# KiCad board sswkbd_wiring.kicad_pcb
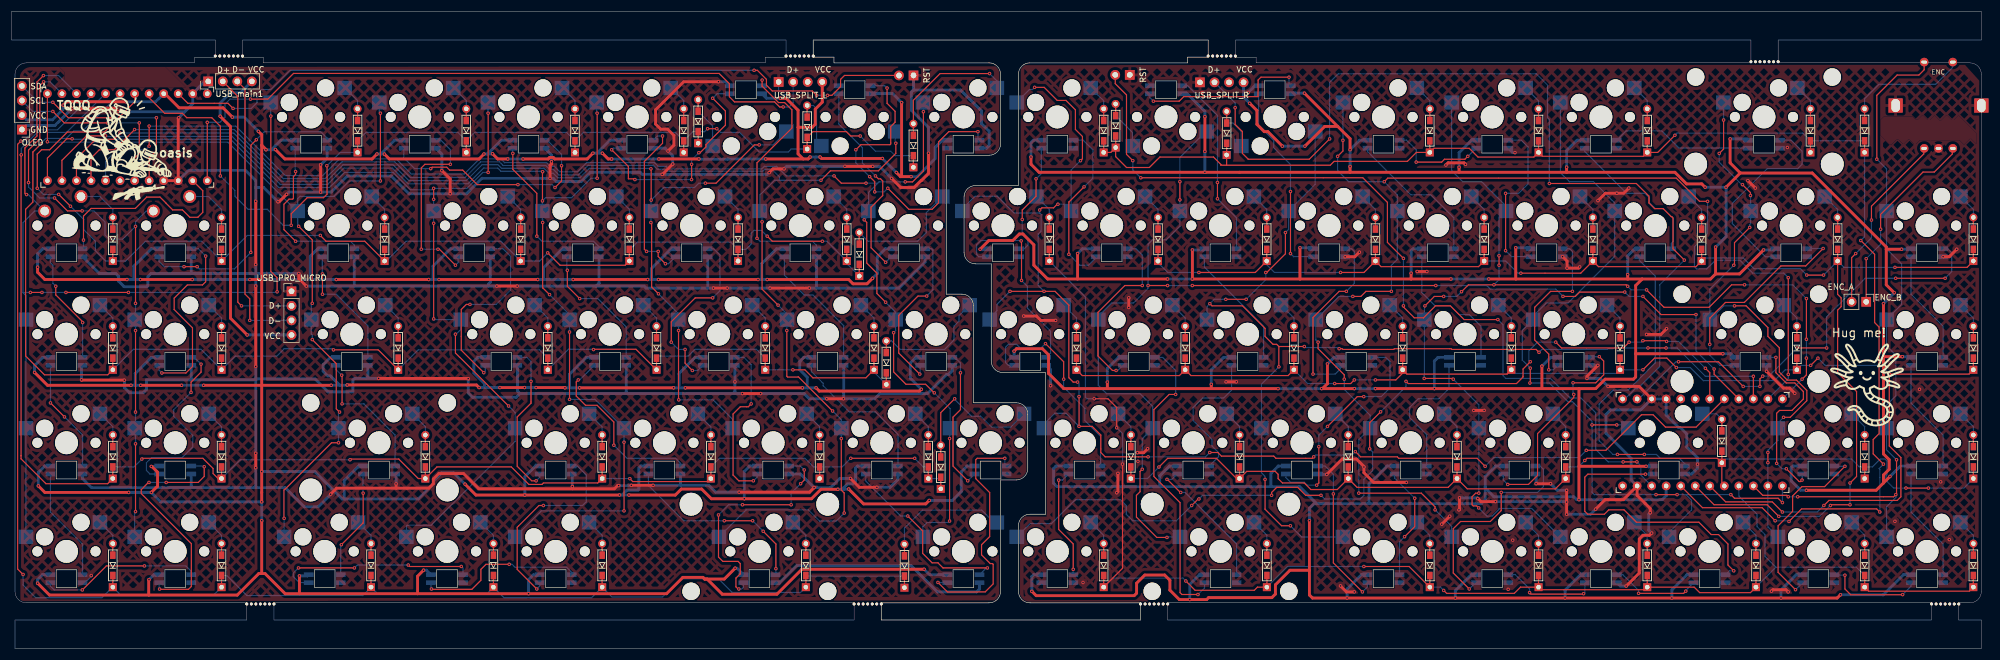
[diagram p0: board, top side]
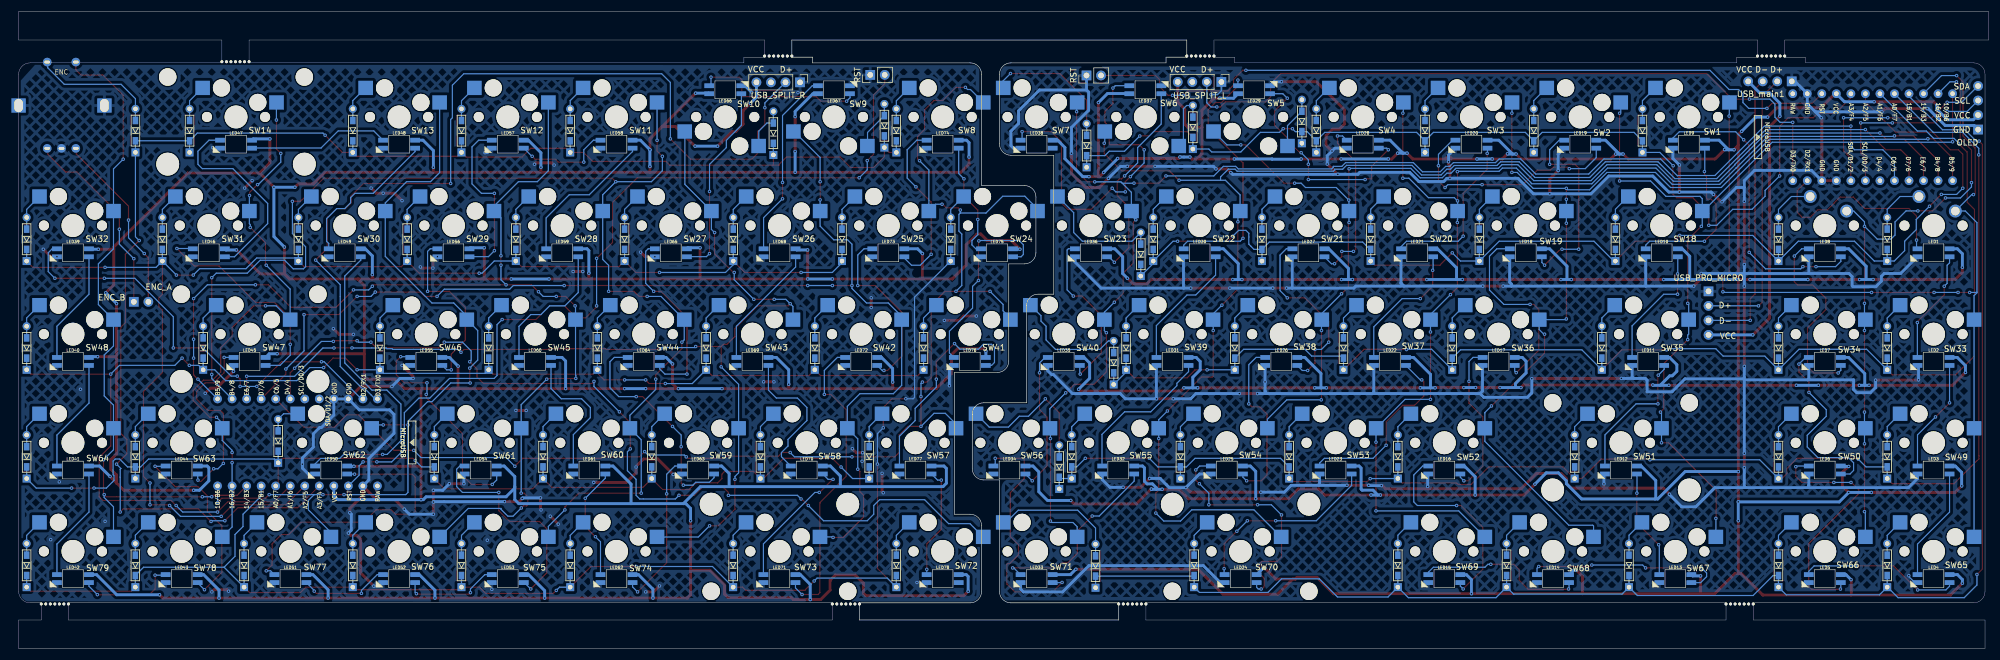
[diagram p1: board, bottom side, seen from below]

Outline 344.28 x 111.46 mm; copper layers: Top, Bottom. Coordinates in mm from the lower left corner of the outline.
Outline path: 135.38,103.46 131.75,103.46 131.75,102.46 44,102.46 44,103.46 40.38,103.46 40.38,106.46 135.38,106.46 135.38,103.46 ; 0,106.46 0,111.46 344.28,111.46 344.28,106.46 308.76,106.46 308.76,102.46 342.28,102.46 arc(343.69,101.87) 344.28,100.46 344.28,10 arc(343.69,8.59) 342.28,8 340.33,8 340.33,5 344.28,5 344.28,0 0.62,0 0.62,5 41.13,5 41.13,8 2.62,8 arc(1.2,8.59) 0.62,10 0.62,100.46 arc(1.2,101.87) 2.62,102.46 32,102.46 32,103.46 35.62,103.46 35.63,106.46 0,106.46 ; 45.88,8 45.88,5 147.27,5 147.27,8 45.88,8 ; 140.12,106.46 209.15,106.46 209.15,103.46 205.53,103.46 205.53,102.46 177.99,102.46 arc(176.58,101.87) 175.99,100.46 175.99,81 168.49,81 arc(167.08,80.41) 166.49,79 166.49,69.3 arc(167.08,67.89) 168.49,67.3 171.24,67.3 171.24,50.3 arc(171.83,48.89) 173.24,48.3 180.74,48.3 180.74,23.5 177.99,23.5 arc(176.58,22.91) 175.99,21.5 175.99,10 arc(176.58,8.59) 177.99,8 197.33,8 197.33,5 152.02,5 152.02,8 170.87,8 arc(172.28,8.59) 172.87,10 172.87,29.5 175.62,29.5 arc(177.03,30.09) 177.62,31.5 177.62,41 arc(177.03,42.41) 175.62,43 168.12,43 168.12,60 arc(167.53,61.41) 166.12,62 163.37,62 163.37,86.3 170.87,86.3 arc(172.28,86.89) 172.87,88.3 172.87,100.46 arc(172.28,101.87) 170.87,102.46 143.75,102.46 143.75,103.46 140.12,103.46 140.12,106.46 ; 202.08,8 202.08,5 335.58,5 335.58,8 202.08,8 ; 213.9,106.46 213.9,103.46 217.53,103.46 217.53,102.46 304.01,102.46 304.01,106.46 213.9,106.46
Stack: Top 0.035mm / dielectric 1.51mm FR4 er 4.5 / Bottom 0.035mm

## Placement (name value [footprint] x y rotation side)
BT1  Breakaway Tabs  [Breakaway_Tabs]  43.51 7.8 180 top
BT1#2  Breakaway Tabs  [Breakaway_Tabs]  337.96 7.8 180 top
BT1#3  Breakaway Tabs  [Breakaway_Tabs]  306.39 102.66 0 top
BT1#4  Breakaway Tabs  [Breakaway_Tabs]  149.64 7.8 180 top
BT1#5  Breakaway Tabs  [Breakaway_Tabs]  199.71 7.8 180 top
BT1#6  Breakaway Tabs  [Breakaway_Tabs]  137.75 103.66 0 top
BT1#7  Breakaway Tabs  [Breakaway_Tabs]  38 103.66 0 top
BT1#8  Breakaway Tabs  [Breakaway_Tabs]  211.53 103.66 0 top
D1  1N4148WT  [D3_TH_SMD]  60.49 90.61 90 top
D2  1N4148WT  [D3_TH_SMD]  79.49 90.61 90 top
D3  1N4148WT  [D3_TH_SMD]  98.49 90.61 90 top
D4  1N4148WT  [D3_TH_SMD]  117.49 90.61 90 top
D5  1N4148WT  [D3_TH_SMD]  120.02 92.21 90 top
D6  1N4148WT  [D3_TH_SMD]  139.06 91.19 90 top
D7  1N4148WT  [D3_TH_SMD]  157.63 88 90 top
D8  1N4148WT  [D3_TH_SMD]  190.89 90.61 90 top
D9  1N4148WT  [D3_TH_SMD]  192.98 91.46 90 top
D10  1N4148WT  [D3_TH_SMD]  212.38 90.16 90 top
D11  1N4148WT  [D3_TH_SMD]  247.89 90.61 90 top
D12  1N4148WT  [D3_TH_SMD]  266.89 90.61 90 top
D13  1N4148WT  [D3_TH_SMD]  285.89 90.61 90 top
D14  1N4148WT  [D3_TH_SMD]  314.41 90.61 90 top
D15  1N4148WT  [D3_TH_SMD]  323.87 90.61 90 top
D16  1N4148WT  [D3_TH_SMD]  17.71 71.61 90 top
D17  1N4148WT  [D3_TH_SMD]  36.71 71.61 90 top
D18  1N4148WT  [D3_TH_SMD]  65.21 71.61 90 top
D19  1N4148WT  [D3_TH_SMD]  88.99 71.61 90 top
D20  1N4148WT  [D3_TH_SMD]  107.99 71.61 90 top
D21  1N4148WT  [D3_TH_SMD]  126.99 71.61 90 top
D22  1N4148WT  [D3_TH_SMD]  145.99 71.61 90 top
D23  1N4148WT  [D3_TH_SMD]  148.17 68.98 90 top
D24  1N4148WT  [D3_TH_SMD]  181.39 71.61 90 top
D25  1N4148WT  [D3_TH_SMD]  200.39 71.61 90 top
D26  1N4148WT  [D3_TH_SMD]  219.39 71.61 90 top
D27  1N4148WT  [D3_TH_SMD]  238.39 71.61 90 top
D28  1N4148WT  [D3_TH_SMD]  257.39 71.61 90 top
D29  1N4148WT  [D3_TH_SMD]  276.39 71.61 90 top
D30  1N4148WT  [D3_TH_SMD]  295.39 71.61 90 top
D31  1N4148WT  [D3_TH_SMD]  319.16 71.61 90 top
D32  1N4148WT  [D3_TH_SMD]  342.89 71.61 90 top
D33  1N4148WT  [D3_TH_SMD]  17.71 52.58 90 top
D34  1N4148WT  [D3_TH_SMD]  36.71 52.58 90 top
D35  1N4148WT  [D3_TH_SMD]  67.59 52.58 90 top
D36  1N4148WT  [D3_TH_SMD]  93.74 52.58 90 top
D37  1N4148WT  [D3_TH_SMD]  112.74 52.58 90 top
D38  1N4148WT  [D3_TH_SMD]  131.74 52.58 90 top
D39  1N4148WT  [D3_TH_SMD]  150.74 52.58 90 top
D40  1N4148WT  [D3_TH_SMD]  152.9 50.01 90 top
D41  1N4148WT  [D3_TH_SMD]  186.14 52.58 90 top
D42  1N4148WT  [D3_TH_SMD]  205.14 52.58 90 top
D43  1N4148WT  [D3_TH_SMD]  224.14 52.58 90 top
D44  1N4148WT  [D3_TH_SMD]  243.14 52.58 90 top
D45  1N4148WT  [D3_TH_SMD]  262.14 52.58 90 top
D46  1N4148WT  [D3_TH_SMD]  281.14 52.58 90 top
D47  1N4148WT  [D3_TH_SMD]  312.04 52.58 90 top
D48  1N4148WT  [D3_TH_SMD]  342.89 52.58 90 top
D49  1N4148WT  [D3_TH_SMD]  17.71 33.56 90 top
D50  1N4148WT  [D3_TH_SMD]  36.71 33.56 90 top
D51  1N4148WT  [D3_TH_SMD]  72.34 33.56 90 top
D52  1N4148WT  [D3_TH_SMD]  103.24 33.56 90 top
D53  1N4148WT  [D3_TH_SMD]  122.24 33.56 90 top
D54  1N4148WT  [D3_TH_SMD]  141.24 33.56 90 top
D55  1N4148WT  [D3_TH_SMD]  160.24 33.56 90 top
D56  1N4148WT  [D3_TH_SMD]  162.42 31.74 90 top
D57  1N4148WT  [D3_TH_SMD]  195.64 33.56 90 top
D58  1N4148WT  [D3_TH_SMD]  214.64 33.56 90 top
D59  1N4148WT  [D3_TH_SMD]  233.64 33.56 90 top
D60  1N4148WT  [D3_TH_SMD]  252.64 33.56 90 top
D61  1N4148WT  [D3_TH_SMD]  271.64 33.56 90 top
D62  1N4148WT  [D3_TH_SMD]  298.93 36.31 90 top
D63  1N4148WT  [D3_TH_SMD]  323.89 33.56 90 top
D64  1N4148WT  [D3_TH_SMD]  342.89 33.56 90 top
D65  1N4148WT  [D3_TH_SMD]  17.71 14.56 90 top
D66  1N4148WT  [D3_TH_SMD]  36.71 14.56 90 bottom
D67  1N4148WT  [D3_TH_SMD]  62.84 14.56 90 top
D68  1N4148WT  [D3_TH_SMD]  84.24 14.56 90 top
D69  1N4148WT  [D3_TH_SMD]  103.24 14.56 90 top
D70  1N4148WT  [D3_TH_SMD]  138.84 14.56 90 top
D71  1N4148WT  [D3_TH_SMD]  156.07 14.45 90 top
D72  1N4148WT  [D3_TH_SMD]  190.89 14.56 90 top
D73  1N4148WT  [D3_TH_SMD]  219.41 14.56 90 top
D74  1N4148WT  [D3_TH_SMD]  247.89 14.56 90 top
D75  1N4148WT  [D3_TH_SMD]  266.89 14.56 90 top
D76  1N4148WT  [D3_TH_SMD]  285.89 14.56 90 top
D77  1N4148WT  [D3_TH_SMD]  304.89 14.56 90 top
D78  1N4148WT  [D3_TH_SMD]  323.89 14.56 90 top
D79  1N4148WT  [D3_TH_SMD]  342.89 14.56 90 top
ENC  SW_PUSH  [keyswitch_cherrymx_hotswap_1u_rotary_encoder_ec12]  336.79 95 180 bottom
G***  -  [LOGO]  324.49 46.3 0 top
J4  Conn_01x02_Socket  [PinHeader_1x02_P2.54mm_Vertical]  324.15 60.66 270 top
LED1  YS-SK6812MINI-E  [SK6812MINI-E]  9.62 69.24 180 bottom
LED2  YS-SK6812MINI-E  [SK6812MINI-E]  9.62 50.24 180 bottom
LED3  YS-SK6812MINI-E  [SK6812MINI-E]  9.62 31.24 180 bottom
LED4  YS-SK6812MINI-E  [SK6812MINI-E]  9.62 12.24 180 bottom
LED5  YS-SK6812MINI-E  [SK6812MINI-E]  28.62 12.24 180 bottom
LED6  YS-SK6812MINI-E  [SK6812MINI-E]  28.62 31.24 180 bottom
LED7  YS-SK6812MINI-E  [SK6812MINI-E]  28.62 50.24 180 bottom
LED8  YS-SK6812MINI-E  [SK6812MINI-E]  28.62 69.24 180 bottom
LED9  YS-SK6812MINI-E  [SK6812MINI-E]  52.37 88.24 180 bottom
LED10  YS-SK6812MINI-E  [SK6812MINI-E]  57.12 69.24 180 bottom
LED11  YS-SK6812MINI-E  [SK6812MINI-E]  59.49 50.24 180 bottom
LED12  YS-SK6812MINI-E  [SK6812MINI-E]  64.24 31.24 180 bottom
LED13  YS-SK6812MINI-E  [SK6812MINI-E]  54.74 12.24 180 bottom
LED14  YS-SK6812MINI-E  [SK6812MINI-E]  76.12 12.24 180 bottom
LED15  YS-SK6812MINI-E  [SK6812MINI-E]  95.12 12.24 180 bottom
LED16  YS-SK6812MINI-E  [SK6812MINI-E]  95.12 31.24 180 bottom
LED17  YS-SK6812MINI-E  [SK6812MINI-E]  85.62 50.24 180 bottom
LED18  YS-SK6812MINI-E  [SK6812MINI-E]  80.87 69.24 180 bottom
LED19  YS-SK6812MINI-E  [SK6812MINI-E]  71.37 88.24 180 bottom
LED20  YS-SK6812MINI-E  [SK6812MINI-E]  90.37 88.24 180 bottom
LED21  YS-SK6812MINI-E  [SK6812MINI-E]  99.87 69.24 180 bottom
LED22  YS-SK6812MINI-E  [SK6812MINI-E]  104.62 50.24 180 bottom
LED23  YS-SK6812MINI-E  [SK6812MINI-E]  114.12 31.24 180 bottom
LED24  YS-SK6812MINI-E  [SK6812MINI-E]  130.72 12.24 180 bottom
LED25  YS-SK6812MINI-E  [SK6812MINI-E]  133.12 31.24 180 bottom
LED26  YS-SK6812MINI-E  [SK6812MINI-E]  123.62 50.24 180 bottom
LED27  YS-SK6812MINI-E  [SK6812MINI-E]  118.87 69.24 180 bottom
LED28  YS-SK6812MINI-E  [SK6812MINI-E]  109.37 88.24 180 bottom
LED29  YS-SK6812MINI-E  [SK6812MINI-E]  128.37 97.76 0 bottom
LED30  YS-SK6812MINI-E  [SK6812MINI-E]  137.87 69.24 180 bottom
LED31  YS-SK6812MINI-E  [SK6812MINI-E]  142.62 50.24 180 bottom
LED32  YS-SK6812MINI-E  [SK6812MINI-E]  152.12 31.24 180 bottom
LED33  YS-SK6812MINI-E  [SK6812MINI-E]  166.37 12.24 180 bottom
LED34  YS-SK6812MINI-E  [SK6812MINI-E]  171.12 31.24 180 bottom
LED35  YS-SK6812MINI-E  [SK6812MINI-E]  161.62 50.24 180 bottom
LED36  YS-SK6812MINI-E  [SK6812MINI-E]  156.87 69.24 180 bottom
LED37  YS-SK6812MINI-E  [SK6812MINI-E]  147.37 97.76 0 bottom
LED38  YS-SK6812MINI-E  [SK6812MINI-E]  166.37 88.24 180 bottom
LED39  YS-SK6812MINI-E  [SK6812MINI-E]  334.79 69.24 180 bottom
LED40  YS-SK6812MINI-E  [SK6812MINI-E]  334.79 50.24 180 bottom
LED41  YS-SK6812MINI-E  [SK6812MINI-E]  334.79 31.24 180 bottom
LED42  YS-SK6812MINI-E  [SK6812MINI-E]  334.79 12.24 180 bottom
LED43  YS-SK6812MINI-E  [SK6812MINI-E]  315.79 12.24 180 bottom
LED44  YS-SK6812MINI-E  [SK6812MINI-E]  315.79 31.24 180 bottom
LED45  YS-SK6812MINI-E  [SK6812MINI-E]  303.92 50.24 180 bottom
LED46  YS-SK6812MINI-E  [SK6812MINI-E]  311.04 69.24 180 bottom
LED47  YS-SK6812MINI-E  [SK6812MINI-E]  306.29 88.24 180 bottom
LED48  YS-SK6812MINI-E  [SK6812MINI-E]  277.79 88.24 180 bottom
LED49  YS-SK6812MINI-E  [SK6812MINI-E]  287.29 69.24 180 bottom
LED50  YS-SK6812MINI-E  [SK6812MINI-E]  289.67 31.24 180 bottom
LED51  YS-SK6812MINI-E  [SK6812MINI-E]  296.79 12.24 180 bottom
LED52  YS-SK6812MINI-E  [SK6812MINI-E]  277.79 12.24 180 bottom
LED53  YS-SK6812MINI-E  [SK6812MINI-E]  258.79 12.24 180 bottom
LED54  YS-SK6812MINI-E  [SK6812MINI-E]  263.54 31.24 180 bottom
LED55  YS-SK6812MINI-E  [SK6812MINI-E]  273.04 50.24 180 bottom
LED56  YS-SK6812MINI-E  [SK6812MINI-E]  268.29 69.24 180 bottom
LED57  YS-SK6812MINI-E  [SK6812MINI-E]  258.79 88.24 180 bottom
LED58  YS-SK6812MINI-E  [SK6812MINI-E]  239.79 88.24 180 bottom
LED59  YS-SK6812MINI-E  [SK6812MINI-E]  249.29 69.24 180 bottom
LED60  YS-SK6812MINI-E  [SK6812MINI-E]  254.04 50.24 180 bottom
LED61  YS-SK6812MINI-E  [SK6812MINI-E]  244.54 31.24 180 bottom
LED62  YS-SK6812MINI-E  [SK6812MINI-E]  239.79 12.24 180 bottom
LED63  YS-SK6812MINI-E  [SK6812MINI-E]  225.54 31.24 180 bottom
LED64  YS-SK6812MINI-E  [SK6812MINI-E]  235.04 50.24 180 bottom
LED65  YS-SK6812MINI-E  [SK6812MINI-E]  230.29 69.24 180 bottom
LED66  YS-SK6812MINI-E  [SK6812MINI-E]  220.79 97.76 0 bottom
LED67  YS-SK6812MINI-E  [SK6812MINI-E]  201.79 97.76 0 bottom
LED68  YS-SK6812MINI-E  [SK6812MINI-E]  211.29 69.24 180 bottom
LED69  YS-SK6812MINI-E  [SK6812MINI-E]  216.04 50.24 180 bottom
LED70  YS-SK6812MINI-E  [SK6812MINI-E]  206.54 31.24 180 bottom
LED71  YS-SK6812MINI-E  [SK6812MINI-E]  211.32 12.24 180 bottom
LED72  YS-SK6812MINI-E  [SK6812MINI-E]  197.04 50.24 180 bottom
LED73  YS-SK6812MINI-E  [SK6812MINI-E]  192.29 69.24 180 bottom
LED74  YS-SK6812MINI-E  [SK6812MINI-E]  182.79 88.24 180 bottom
LED75  YS-SK6812MINI-E  [SK6812MINI-E]  173.29 69.24 180 bottom
LED76  YS-SK6812MINI-E  [SK6812MINI-E]  178.04 50.24 180 bottom
LED77  YS-SK6812MINI-E  [SK6812MINI-E]  187.54 31.24 180 bottom
LED78  YS-SK6812MINI-E  [SK6812MINI-E]  182.79 12.24 180 bottom
OLED  Conn_01x04_Socket  [PinHeader_1x04_P2.54mm_Vertical]  1.83 90.8 180 top
RST  SW_Push  [PinHeader_1x02_P2.54mm_Vertical]  157.65 100.26 270 top
RST#2  SW_Push  [PinHeader_1x02_P2.54mm_Vertical]  195.45 100.36 270 top
SW1  SW_PUSH  [MXOnly-1U-Hotswap]  52.37 93 0 top
SW2  SW_PUSH  [MXOnly-1U-Hotswap]  71.37 93 0 top
SW3  SW_PUSH  [MXOnly-1U-Hotswap]  90.37 93 0 top
SW4  SW_PUSH  [MXOnly-1U-Hotswap]  109.37 93 0 top
SW5  SW_PUSH  [MXOnly-1U-Hotswap]  128.37 93 180 top
SW6  SW_PUSH  [MXOnly-1U-Hotswap]  147.37 93 180 top
SW7  SW_PUSH  [MXOnly-1U-Hotswap]  166.37 93 0 top
SW8  SW_PUSH  [MXOnly-1U-Hotswap]  182.79 93 0 top
SW9  SW_PUSH  [MXOnly-1U-Hotswap]  201.79 93 180 top
SW10  SW_PUSH  [MXOnly-1U-Hotswap]  220.79 93 180 top
SW11  SW_PUSH  [MXOnly-1U-Hotswap]  239.79 93 0 top
SW12  SW_PUSH  [MXOnly-1U-Hotswap]  258.79 93 0 top
SW13  SW_PUSH  [MXOnly-1U-Hotswap]  277.79 93 0 top
SW14  SW_PUSH  [MXOnly-2U-Hotswap]  306.29 93 0 top
SW16  SW_PUSH  [MXOnly-1U-NoLED]  9.62 74 0 top
SW17  SW_PUSH  [MXOnly-1U-NoLED]  28.62 74 0 top
SW18  SW_PUSH  [MXOnly-1.5U-Hotswap]  57.12 74 0 top
SW19  SW_PUSH  [MXOnly-1U-Hotswap]  80.87 74 0 top
SW20  SW_PUSH  [MXOnly-1U-Hotswap]  99.87 74 0 top
SW21  SW_PUSH  [MXOnly-1U-Hotswap]  118.87 74 0 top
SW22  SW_PUSH  [MXOnly-1U-Hotswap]  137.87 74 0 top
SW23  SW_PUSH  [MXOnly-1U-Hotswap]  156.87 74 0 top
SW24  SW_PUSH  [MXOnly-1U-Hotswap]  173.29 74 0 top
SW25  SW_PUSH  [MXOnly-1U-Hotswap]  192.29 74 0 top
SW26  SW_PUSH  [MXOnly-1U-Hotswap]  211.29 74 0 top
SW27  SW_PUSH  [MXOnly-1U-Hotswap]  230.29 74 0 top
SW28  SW_PUSH  [MXOnly-1U-Hotswap]  249.29 74 0 top
SW29  SW_PUSH  [MXOnly-1U-Hotswap]  268.29 74 0 top
SW30  SW_PUSH  [MXOnly-1U-Hotswap]  287.29 74 0 top
SW31  SW_PUSH  [MXOnly-1.5U-Hotswap]  311.04 74 0 top
SW32  SW_PUSH  [MXOnly-1U-Hotswap]  334.79 74 0 top
SW33  SW_PUSH  [MXOnly-1U-Hotswap]  9.62 55 0 top
SW34  SW_PUSH  [MXOnly-1U-Hotswap]  28.62 55 0 top
SW35  SW_PUSH  [MXOnly-1.75U-Hotswap]  59.49 55 0 top
SW36  SW_PUSH  [MXOnly-1U-Hotswap]  85.62 55 0 top
SW37  SW_PUSH  [MXOnly-1U-Hotswap]  104.62 55 0 top
SW38  SW_PUSH  [MXOnly-1U-Hotswap]  123.62 55 0 top
SW39  SW_PUSH  [MXOnly-1U-Hotswap]  142.62 55 0 top
SW40  SW_PUSH  [MXOnly-1U-Hotswap]  161.62 55 0 top
SW41  SW_PUSH  [MXOnly-1U-Hotswap]  178.04 55 0 top
SW42  SW_PUSH  [MXOnly-1U-Hotswap]  197.04 55 0 top
SW43  SW_PUSH  [MXOnly-1U-Hotswap]  216.04 55 0 top
SW44  SW_PUSH  [MXOnly-1U-Hotswap]  235.04 55 0 top
SW45  SW_PUSH  [MXOnly-1U-Hotswap]  254.04 55 0 top
SW46  SW_PUSH  [MXOnly-1U-Hotswap]  273.04 55 0 top
SW47  SW_PUSH  [MXOnly-2.25U-Hotswap]  303.92 55 0 top
SW48  SW_PUSH  [MXOnly-1U-Hotswap]  334.79 55 0 top
SW49  SW_PUSH  [MXOnly-1U-Hotswap]  9.62 36 0 top
SW50  SW_PUSH  [MXOnly-1U-Hotswap]  28.62 36 0 top
SW51  SW_PUSH  [MXOnly-2.25U-Hotswap]  64.24 36 0 top
SW52  SW_PUSH  [MXOnly-1U-Hotswap]  95.12 36 0 top
SW53  SW_PUSH  [MXOnly-1U-Hotswap]  114.12 36 0 top
SW54  SW_PUSH  [MXOnly-1U-Hotswap]  133.12 36 0 top
SW55  SW_PUSH  [MXOnly-1U-Hotswap]  152.12 36 0 top
SW56  SW_PUSH  [MXOnly-1U-Hotswap]  171.12 36 0 top
SW57  SW_PUSH  [MXOnly-1U-Hotswap]  187.54 36 0 top
SW58  SW_PUSH  [MXOnly-1U-Hotswap]  206.54 36 0 top
SW59  SW_PUSH  [MXOnly-1U-Hotswap]  225.54 36 0 top
SW60  SW_PUSH  [MXOnly-1U-Hotswap]  244.54 36 0 top
SW61  SW_PUSH  [MXOnly-1U-Hotswap]  263.54 36 0 top
SW62  SW_PUSH  [MXOnly-1.75U-Hotswap]  289.67 36 0 top
SW63  SW_PUSH  [MXOnly-1U-Hotswap]  315.79 36 0 top
SW64  SW_PUSH  [MXOnly-1U-Hotswap]  334.79 36 0 top
SW65  SW_PUSH  [MXOnly-1U-Hotswap]  9.62 17 0 top
SW66  SW_PUSH  [MXOnly-1U-Hotswap]  28.62 17 0 top
SW67  SW_PUSH  [MXOnly-1U-Hotswap]  54.74 17 0 top
SW68  SW_PUSH  [MXOnly-1U-Hotswap]  76.12 17 0 top
SW69  SW_PUSH  [MXOnly-1U-Hotswap]  95.12 17 0 top
SW70  SW_PUSH  [MXOnly-2.75U-Hotswap-ReversedStabilizers]  130.72 17 0 top
SW71  SW_PUSH  [MXOnly-1U-Hotswap]  166.37 17 0 top
SW72  SW_PUSH  [MXOnly-1U-Hotswap]  182.79 17 0 top
SW73  SW_PUSH  [MXOnly-2U-Hotswap-ReversedStabilizers]  211.32 17 0 top
SW74  SW_PUSH  [MXOnly-1U-Hotswap]  239.79 17 0 top
SW75  SW_PUSH  [MXOnly-1U-Hotswap]  258.79 17 0 top
SW76  SW_PUSH  [MXOnly-1U-Hotswap]  277.79 17 0 top
SW77  SW_PUSH  [MXOnly-1U-Hotswap]  296.79 17 0 top
SW78  SW_PUSH  [MXOnly-1U-Hotswap]  315.79 17 0 top
SW79  SW_PUSH  [MXOnly-1U-Hotswap]  334.79 17 0 top
TQQQ  -  [LOGO]  19.43 88.83 0 top
U1  -  [ProMicro]  19.75 89.46 270 top
U2  -  [ProMicro]  296.06 36.06 90 top
USB_main1  Conn_01x04_Socket  [PinHeader_1x04_P2.54mm_Vertical]  34.4 99.22 90 top
USB_PRO_MICRO  Conn_01x04_Socket  [PinHeader_1x04_P2.54mm_Vertical]  48.95 62.49 0 top
USB_SPLIT_L  USB_SPLIT  [PinHeader_1x04_P2.54mm_Vertical]  134.08 99.12 90 top
USB_SPLIT_R  Conn_01x04_Socket  [PinHeader_1x04_P2.54mm_Vertical]  207.72 99.06 90 top

## Library data of the parts
BT1 BT1#2-BT1#8 = -: Description: Mounting Hole without connection
D1-D79 = -: Datasheet: https://www.diodes.com/assets/Datasheets/ds30396.pdf; Description: 75V 0.15A Fast switching Diode, SOD-523; Sim.Device: D; Sim.Pins: 1=K 2=A; ki_fp_filters: D*SOD?523*
ENC = -: Description: Rotary encoder, dual channel, incremental quadrate outputs, with switch; ki_fp_filters: RotaryEncoder*Switch*
J4 = -: Description: Generic connector, single row, 01x02, script generated; ki_fp_filters: Connector*:*_1x??_*
OLED USB_main1 USB_PRO_MICRO USB_SPLIT_L USB_SPLIT_R = -: Description: Generic connector, single row, 01x04, script generated; ki_fp_filters: Connector*:*_1x??_*
RST RST#2 = -: Description: Push button switch, generic, two pins

## Footprints (pads in the part's own frame, mm; a bottom-side part is the same pattern mirrored in y, then rotated)
Breakaway_Tabs
  round 0.5 hole 0.5 unplated: (-2.375,0) (-1.583,0) (-0.792,0) (0,0) (0.792,0) (1.583,0) (2.375,0)
D3_TH_SMD
  rect 1.397x1.397 hole 0.813: 1(-3.81,0)
  rect 1.3x0.95 smd: 1(-1.775,0) 2(1.775,0)
  rect 1.3x0.95 smd far side: 1(-1.775,0) 2(1.775,0)
  round 1.397 hole 0.813: 2(3.81,0)
keyswitch_cherrymx_hotswap_1u_rotary_encoder_ec12
  rect 2.5x2.5 hole 1.5x2.3: (-7.5,0) (7.5,0)
  round 1.5 hole 1x0.5: A(2.5,-7.5) B(-2.5,-7.5) C(0,-7.5) S1(-2.5,7.6) S2(2.5,7.6)
MXOnly-1.5U-Hotswap
  round 1.75 hole 1.75 unplated: (-5.08,0) (5.08,0)
  round 3 hole 3 unplated: (-3.81,2.54) (2.54,5.08)
  round 3.988 hole 3.988 unplated: (0,0)
  rect 2.55x2.5 smd far side: 1(-7.085,2.54) 2(5.842,5.08)
MXOnly-1.75U-Hotswap
  round 1.75 hole 1.75 unplated: (-5.08,0) (5.08,0)
  round 3 hole 3 unplated: (-3.81,2.54) (2.54,5.08)
  round 3.988 hole 3.988 unplated: (0,0)
  rect 2.55x2.5 smd far side: 1(-7.085,2.54) 2(5.842,5.08)
MXOnly-1U-Hotswap
  round 1.75 hole 1.75 unplated: (-5.08,0) (5.08,0)
  round 3 hole 3 unplated: (-3.81,2.54) (2.54,5.08)
  round 3.988 hole 3.988 unplated: (0,0)
  rect 2.55x2.5 smd far side: 1(-7.085,2.54) 2(5.842,5.08)
MXOnly-1U-NoLED
  round 1.75 hole 1.75 unplated: (-5.08,0) (5.08,0)
  round 3.988 hole 3.988 unplated: (0,0)
  round 2.25 hole 1.5: 1(-3.81,2.54) 2(2.54,5.08)
MXOnly-2.25U-Hotswap
  round 3.048 hole 3.048 unplated: (-11.938,6.985) (11.938,6.985)
  round 3.988 hole 3.988 unplated: (-11.938,-8.255) (0,0) (11.938,-8.255)
  round 1.75 hole 1.75 unplated: (-5.08,0) (5.08,0)
  round 3 hole 3 unplated: (-3.81,2.54) (2.54,5.08)
  rect 2.55x2.5 smd far side: 1(-7.085,2.54) 2(5.842,5.08)
MXOnly-2.75U-Hotswap-ReversedStabilizers
  round 3.988 hole 3.988 unplated: (-11.938,8.255) (0,0) (11.938,8.255)
  round 3.048 hole 3.048 unplated: (-11.938,-6.985) (11.938,-6.985)
  round 1.75 hole 1.75 unplated: (-5.08,0) (5.08,0)
  round 3 hole 3 unplated: (-3.81,2.54) (2.54,5.08)
  rect 2.55x2.5 smd far side: 1(-7.085,2.54) 2(5.842,5.08)
MXOnly-2U-Hotswap
  round 3.048 hole 3.048 unplated: (-11.938,6.985) (11.938,6.985)
  round 3.988 hole 3.988 unplated: (-11.938,-8.255) (0,0) (11.938,-8.255)
  round 1.75 hole 1.75 unplated: (-5.08,0) (5.08,0)
  round 3 hole 3 unplated: (-3.81,2.54) (2.54,5.08)
  rect 2.55x2.5 smd far side: 1(-7.085,2.54) 2(5.842,5.08)
MXOnly-2U-Hotswap-ReversedStabilizers
  round 3.988 hole 3.988 unplated: (-11.938,8.255) (0,0) (11.938,8.255)
  round 3.048 hole 3.048 unplated: (-11.938,-6.985) (11.938,-6.985)
  round 1.75 hole 1.75 unplated: (-5.08,0) (5.08,0)
  round 3 hole 3 unplated: (-3.81,2.54) (2.54,5.08)
  rect 2.55x2.5 smd far side: 1(-7.085,2.54) 2(5.842,5.08)
PinHeader_1x02_P2.54mm_Vertical
  rect 1.7x1.7 hole 1: 1(0,0)
  oval 1.7x1.7 hole 1: 2(0,-2.54)
PinHeader_1x04_P2.54mm_Vertical
  rect 1.7x1.7 hole 1: 1(0,0)
  oval 1.7x1.7 hole 1: 2(0,-2.54) 3(0,-5.08) 4(0,-7.62)
ProMicro
  round 1.524 hole 0.813: 1(7.611,14.478) 2(7.611,11.938) 3(7.611,9.398) 4(7.611,6.858) 5(7.611,4.318) 6(7.611,1.778) 7(7.611,-0.762) 8(7.611,-3.302) 9(7.611,-5.842) 10(7.611,-8.382) 11(7.611,-10.922) 12(7.611,-13.462) 13(-7.609,-13.462) 14(-7.609,-10.922) 15(-7.609,-8.382) 16(-7.609,-5.842) 17(-7.609,-3.302) 18(-7.609,-0.762) 19(-7.609,1.778) 20(-7.609,4.318) 21(-7.609,6.858) 22(-7.609,9.398) 23(-7.609,11.938) 24(-7.609,14.478)
SK6812MINI-E
  rect 1.7x0.825 smd: 1(2.8,0.7) 2(2.8,-0.7) 3(-2.8,-0.7) 4(-2.8,0.7)
